# Altium PCB Nuio_Left_Keyboard_Rev_H.PcbDoc (part 3 of 3)
Units mil, origin at the board's own origin, x right, y up, seen from the top; angles counter-clockwise.
Board outline 3504.15 x 969.68 mil, 4 copper layers (Top Layer, GND1, GND2, Bottom Layer), stack 37.04 mil thick; 164 components, 106 nets, 626 pads, 398 vias.
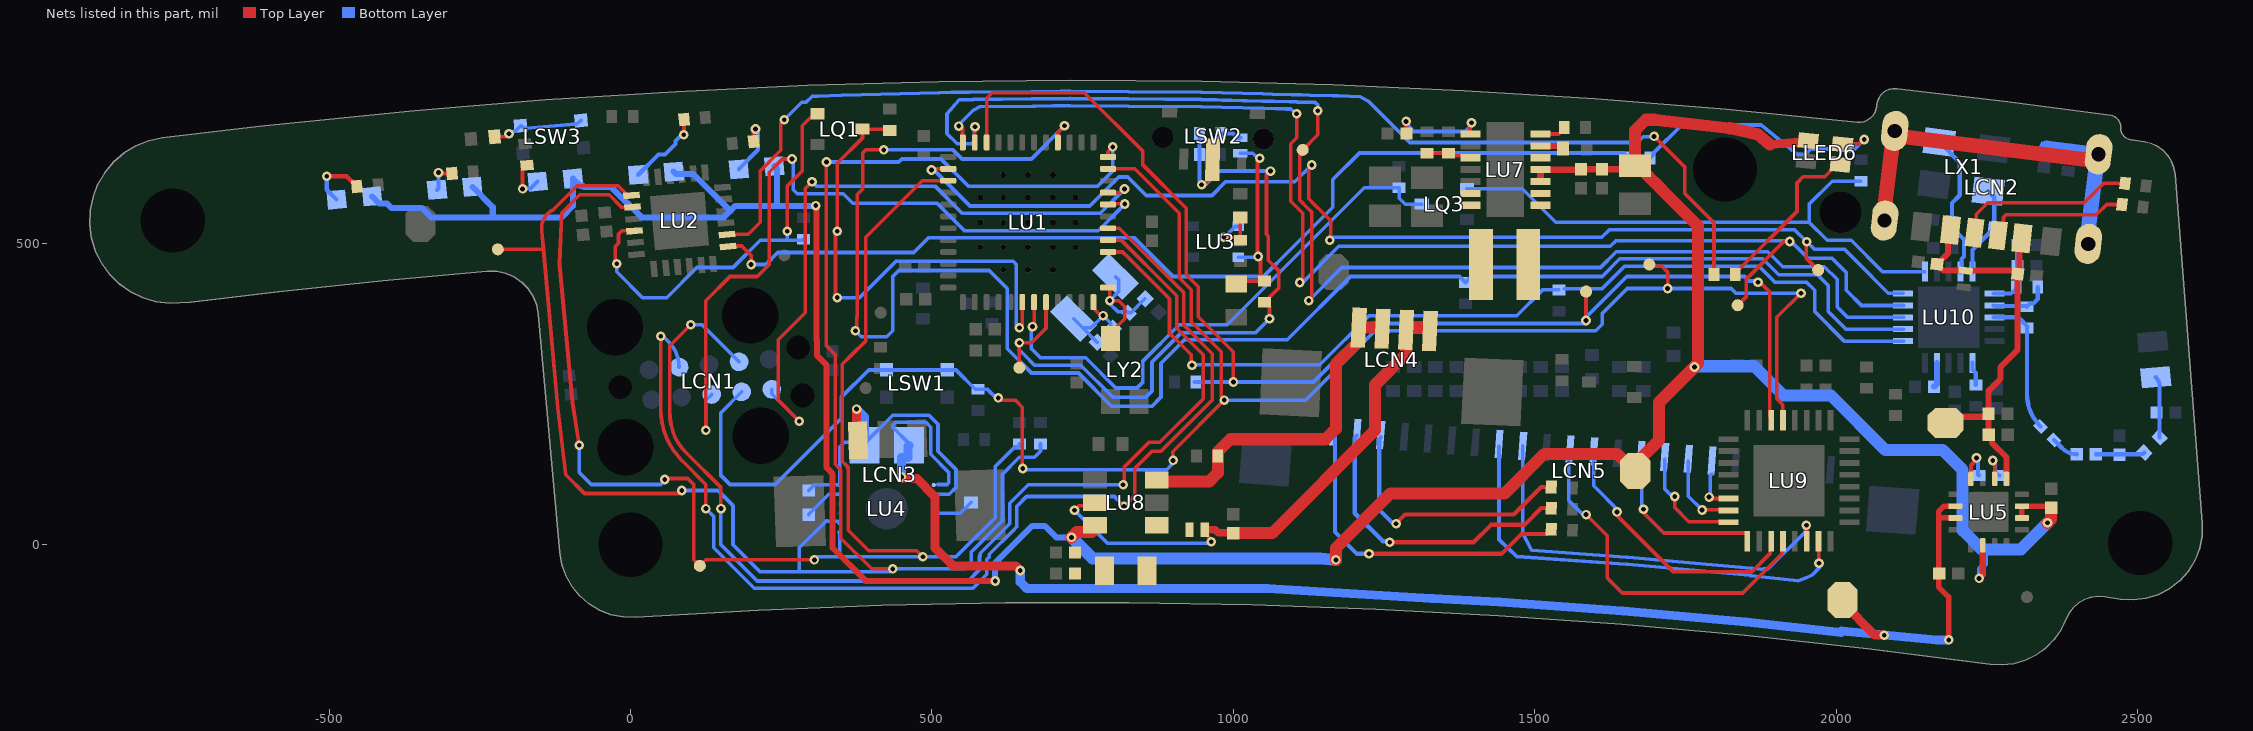
[diagram p5: the nets of this part, all layers, seen from the top]

## Via types
v1: diameter 16, hole 8, Top Layer to Bottom Layer, tented both sides, 391 vias
v2: diameter 23.62, hole 11.81, Top Layer to Bottom Layer, 6 vias
v3: diameter 17.72, hole 8, Top Layer to Bottom Layer, tented both sides, 1 vias

## Nets (pads, with @x,y where several pads share a name; then routed paths per layer and width w, separated by ;. In a path a pad name is that pad's centre, name@x,y a point inside that pad or via, vN(x,y) a via of type N, cw(c..) or ccw(c..) an arc to the next point about the centre after c; other vN are vias at no path point) (continued)
I2C_CLK0/BOOT: LCN1.7 LR1.2 LSW1.1 LSW1.2 LTP10.1 LU1.23 LU9.29 | length 3120.8
  Top Layer w6: v1(610,243.63) 610,240 638.03,240 650,228.03 650,127.14 v1(650.59,126.55) ; LU1.23@794.11,623.5 836.5,623.5 910,550 910,442.88 920,432.88 930,422.88 930,370 980,320 980,245 v1(985,240) 899.52,154.52 899.52,140.48 v1(900,140) ; LTP10.1@1690,462.22 1710.4,462.22 1720.29,452.32 v1(1720.29,425.1) ; LU9.29@1911.52,197.44 1911.52,232.05 1901.54,242.03 1901.54,377.3 v1(1941.52,417.29)
  Bottom Layer w6: LCN1.7@184.49,253.63 150,219.13 150,115 165,100 240,100 350,210 350,245 395,290 425,290 525.39,290 540,290 571.97,258.03 LR1.2@576.68,258.03 ; LR1.2@577,257.72 592.28,257.72 608.18,241.82 v1(610,243.63) ; v1(650.59,126.55) 652.86,124.28 889.28,124.28 900,135 v1(900,140) ; v1(985,240) 1120,240 1235,355 1601.13,355 1612,365.87 1612,383.71 1653.39,425.1 v1(1720.29,425.1) 1825.99,425.1 1833.81,417.29 v1(1941.52,417.29)
I2C_CLK1: LR4.2 LTP15.1 LU1.24 LU2.19 LU4.2 | length 3152.7
  Top Layer w6: LTP15.1@-220,490 -144.33,490 -144.26,490.07 ; LU2.19@-4.69,579.69 -20.62,595.62 -88.1,595.62 -127.93,555.8 ccw(c-114.05,525.48) -146.94,519.98 -144.26,490.07 ; v1(85,90) 80,85 -76.19,85 -107.23,116.04 -120.83,227.7 -144.26,490.07 ; v1(325,635) 325,330 339.42,315.58 339.42,133.61 348,125.03 348,123.38 348.95,122.43 348.95,11.05 400,-40 v1(435,-40) ; LU1.24@792.1,643.19 792.1,652.1 v1(800,660)
  Bottom Layer w6: v1(85,90) 145,90 170,65 170,0 215,-45 280,-45 ; v1(325,635) 445,635 450,640 515,640 560,595 775,595 800,620 v1(800,660) ; LU4.2@346.83,36.38 344.02,39.19 326.78,39.19 325.97,40 325,40 280,-5 280,-45 ; LR4.2@680,167.28 680,155 670,145 645,145 617,117 617,40.03 615,38.03 565,-11.97 565,-30 555,-40 v1(435,-40) 430,-45 280,-45
I2C_DATA0: LR2.2 LTP12.1 LU1.34 LU9.30 | length 2120.4
  Top Layer w6: LU1.34@590.71,669.42 590.71,740.71 600,750 752.71,750 850,652.71 850,630 922,558 922,447.85 932,437.85 942,427.85 942,424.82 942,378.25 1000,320.25 v1(1000,270) ; v1(1585,372) LTP12.1@1585,420 ; v1(1870.33,435.37) 1873.5,435.37 1884.23,424.64 1884.74,424.64 1889.52,419.86 1889.52,230.48 1890,230 1890,213.61 LU9.30@1891.99,211.62
  Bottom Layer w6: LR2.2@935,270 v1(1000,270) 1133.03,270 1230.03,367 1585,367 1585,370 1585,377.52 1652.48,445 1847.79,445 1855.18,437.61 1868.09,437.61 v1(1870.33,435.37)
I2C_DATA1: LR11.2 LTP17.1 LU1.39 LU2.20 LU4.1 | length 2448.9
  Top Layer w6: v1(-85,165) -96.17,236.17 -117.83,465.64 -113.76,550.95 -84.04,580.68 -35.46,580.68 -14.87,560.08 LU2.20@3.25,560.08 ; v1(56.71,108.26) 57.48,107.48 60,110 95,110 105,100 105,-25 LTP17.1@115,-35 125,-25 v1(305,-25) ; v1(485,-20) 475,-10 395,-10 360.95,24.05 360.95,127.4 360,128.35 360,130 351.42,138.58 351.42,286.42 351.42,299.5 366.65,314.74 390,338.08 390,510 483.82,603.82 LU1.39@527.11,603.82
  Bottom Layer w6: v1(-85,165) -85,120 -65,100 50,100 55,105 55,106.55 v1(56.71,108.26) ; v1(305,-25) 310,-20 345,-20 ; LU4.1@346.83,20.63 346.83,-18.17 345,-20 ; LR11.2@645,162.29 637.29,162.29 605,130 605,45 550,-10 540,-20 v1(485,-20) 345,-20 ; LR11.2@645,167.28 LR11.2@647.71,164.57
MTCK: LCN1.8 LU1.20 | length 1285.9
  Top Layer w6: v1(125,190) 125,405 165,445 210,445 230,465 230,530 230,618.03 251.97,640 v1(268,640) ; LU1.20@794.11,564.45 795.17,565.51 817.53,565.51 818.59,566.57 v1(819.85,565.3)
  Bottom Layer w6: v1(125,190) 125,239.58 LCN1.8@134.68,249.27 ; v1(268,640) 270,640 270,588.81 276.52,582.29 352.71,582.29 368.57,566.43 508.57,566.43 554,521 699.03,521 706.71,521 732.58,521 744.11,521 776,521 818.59,563.59 818.59,565.3 v1(819.85,565.3)
MTDI: LCN1.2 LU1.18 | length 1875.9
  Top Layer w6: v1(50.16,345.94) 53.54,343.34 ccw(c67.07,332.93) 50,332.93 50,225.36 ccw(c171.57,225.35) 85.61,139.39 125,100 v1(125,60) ; LU1.18@792.1,525.07 810.84,525.07 908,427.91 918,417.91 918,363.97 965,316.97 965,240 880,155 865,155 836.52,126.52 836.52,81.71 v1(818.79,63.99)
  Bottom Layer w6: v1(50.16,345.94) 55,345 63.01,336.99 cw(c20.73,294.72) LCN1.2@80.52,294.72 ; v1(125,60) 138,47 138,-4.97 205.03,-72 568,-72 591,-49 591,-24.2 595,-20.2 595,-15.91 636,25.09 639,28.09 641,30.09 641,64.03 656.97,80 802.78,80 v1(818.79,63.99)
MTDO: LCN1.6 LU1.21 | length 1092.8
  Top Layer w6: v1(280,205) 245,240 245,340 290,385 290,591.09 v1(301.06,602.16) ; LU1.21@794.11,584.13 810.26,584.13 817.31,591.18 819.52,591.18 v1(819.52,590.22)
  Bottom Layer w6: LCN1.6@234.3,257.98 234.3,250.7 v1(280,205) ; v1(301.06,602.16) 308.22,595 350.96,595 505,595 550,550 779.3,550 v1(819.52,590.22)
MTMS: LCN1.4 LU1.17 | length 1858.9
  Top Layer w6: v1(100,365) 65,330 65,221.21 ccw(c174.44,221.21) 73.8,178.22 ccw(c176.99,233.7) 94.12,150.87 150,95 v1(150,60) ; LU1.17@792.1,505.39 813.55,505.39 896,422.94 906,412.94 906,359 950,315 950,241.97 878.03,170 860,170 819.27,129.27 819.27,101.7 v1(817.14,99.57)
  Bottom Layer w6: v1(100,365) 118.57,365 138.08,345.49 LCN1.4@180.14,303.44 ; v1(150,60) 150,0 210,-60 560,-60 579,-41 579,-19.23 580,-18.23 580,-13.94 624,30.06 627,33.06 629,35.06 629,69 659.57,99.57 719.57,99.57 v1(817.14,99.57)
NetLC10_1: LC10.1 LD1.2 LR7.2 LU3.3 | length 324.9
  Top Layer w6: LC10.1@1010,435 1012.57,437.57 LR7.2@1051.63,437.57 1045,444.2 1045,472.83 1042.82,475.01 1042.82,478.18 1040,481 1040,637.39 v1(1043.65,641.04) ; v1(1041,478.18) v1@1041.91,479.09
  Bottom Layer w6: LU3.3@1007.94,476.7 1041.33,476.7 1041.91,477.27 v1(1041,478.18) ; LD1.2@1011.52,649.49 1032.33,649.49 1040.79,641.04 v1(1043.65,641.04)
NetLC12_1: LC12.1 LR12.2 LU1.12 LY1.1 | length 152.4
  Top Layer w6: LU1.12@767.87,402.43 767.87,392.13 v1@780,380
  Bottom Layer w6: LY1.1@735,375 LY1.1@750,360 ; LC12.1@773.86,336.14 LY1.1@750,360 ; LR12.2@796.46,357.53 796.46,367.59 v1(783.98,380.06) 763.92,360 LY1.1@750,360
NetLC13_1: LC13.1 LR12.1 LU1.13 LY1.2 LY2.3 | length 241.5
  Top Layer w6: LU1.13@792.1,426.65 795,423.75 v1(795,405) 810,405 820,395 820,375 796.38,351.38 LY2.3@796.38,342.36
  Bottom Layer w6: LY1.2@804.6,444.6 810,439.19 810,420 v1(795,405) 795,400 808.54,386.46 824.7,386.46 LR12.1@826.58,384.59 829.59,384.59 LC13.1@852.96,407.96
NetLC21_1: LC21.1 LCN2.SHELL1 LCN2.SHELL2 LCN2.SHELL3 LCN2.SHELL4 LR19.1 | length 736.5
  Top Layer w25: LCN2.SHELL1@2076.54,530.16 2078,541.88 2093.65,666.89 2095.12,678.61 LCN2.SHELL3@2432.64,636.36
  Bottom Layer w25: LC21.1@2348.48,657.91 2388.48,652.9 2434,647.21 2432.64,636.36 2431.18,624.64 2415.53,499.63 LCN2.SHELL2@2414.06,487.91
NetLC22_1: LC22.1 LU4.5 | length 65.9
  Bottom Layer w6: LC22.1@295.75,50 295.75,50.75 328.62,83.62 LU4.5@347.24,83.62
NetLC23_1: LC23.1 LCN3.1 LR62.1 LU4.6 LU4.8 | length 584.9
  Top Layer w15: v1(375,225) 375,175.26 LCN3.1@377.21,173.06
  Bottom Layer w6: LC23.1@295.75,90 305.12,99.37 LU4.6@347.24,99.37 347.24,162.24 355,170 386,170 LR62.1@388,168 ; LR62.1@388,173 LR62.1@388,168 ; LU4.8@503.17,83.62 528.62,83.62 540,95 540,125 510,155 510,200 495,215 435,215 LR62.1@388,168
  Bottom Layer w15: v1(375,225) 388,212 LR62.1@388,173
NetLC26_1: LC26.1 LCN4.3 LCN4.4 LD3.1 LU8.5 | length 900
  Top Layer w6: v1(736.52,57.29) 744.24,65 LU8.5@769.8,65 ; LD3.1@952.8,25 950,22.2 963.31,8.89 v1(963.31,5.11)
  Top Layer w12: LD3.1@952.8,25 970,25 975,20 999.25,20 LC26.1@1000,19.25
  Top Layer w20: LC26.1@1000,19.25 1064.25,19.25 1235,190 1235,265 1286.6,316.6 LCN4.3@1286.6,356.55 1290.06,360 1320.68,360 LCN4.4@1325.93,354.74
  Bottom Layer w6: v1(736.52,57.29) 791.52,2.29 960.49,2.29 v1(963.31,5.11)
NetLC32_1: LC32.1 LU7.1 | length 169.3
  Top Layer w7: v1(1286.52,702.29) 1286.9,701.91 1286.9,682.66 LC32.1@1287.27,682.29 ; v1(1395,700) 1392.68,697.68 1392.68,683.75 1395.08,681.34 LU7.1@1396.21,681.34
  Bottom Layer w7: v1(1286.52,702.29) 1286.52,699.85 1290.1,696.27 1290.1,693.7 1298.29,685.52 1385.52,685.52 1395,695 v1(1395,700)
NetLC39_1: LC39.1 LU10.19 | length 41.1
  Bottom Layer w10: LC39.1@2162.27,262.29 2166.84,266.85 LU10.19@2166.84,301.5
NetLC40_1: LC40.1 LL3.2 | length 46.5
  Bottom Layer w7: LL3.2@2361.14,173.86 2374.92,160.08 ccw(c2399.25,184.41) LC40.1@2399.25,150
NetLC40_2: LC40.2 LC41.1 LR45.1 | length 81.4
  Bottom Layer w7: LC40.2@2430.75,150 2503.87,150 ccw(c2503.87,160.49) LR45.1@2511.29,153.07
NetLC42_1: LC42.1 LE1.1 LR45.2 | length 101.4
  Bottom Layer w7: LE1.1@2530.05,277.88 cw(c2514.86,262.69) 2536.34,262.69 LR45.2@2536.34,178.13
NetLC43_1: LC43.1 LC44.1 LL5.2 LU10.11 | length 113.9
  Bottom Layer w7: LU10.11@2261.33,416.66 2290.14,416.66 2298.81,425.32 LL5.2@2298.81,427.29 2299.79,428.27 2299.79,496.3 LC44.1@2300.77,497.29
NetLC45_1: LC45.1 LU10.9 LX1.3 | length 246.1
  Bottom Layer w7: LX1.3@2171,668.07 2171.09,668.07 2205,634.16 2205,579.75 2192.15,566.9 LC45.1@2192.15,535.33 2199.58,527.89 2199.58,518.88 2212.01,506.46 2212.01,478.11 2207.63,473.74 2207.63,453.51 LU10.9@2206.21,452.09
NetLC46_1: LC46.1 LU10.10 LX1.1 | length 153.6
  Bottom Layer w7: LU10.10@2225.89,452.09 2225.89,489.07 LC46.1@2262.15,525.33 2262.15,576.4 LX1.1@2252.05,586.5
NetLCN2_A5: LCN2.A5 LR14.2 | length 239.1
  Top Layer w6: LCN2.A5@2268.4,513.12 2277.38,522.1 2277.38,543.14 2281.52,547.29 2431.52,547.29 2448.72,564.49 LR14.2@2473.94,564.49
NetLCN2_B5: LCN2.B5 LR15.2 | length 299.7
  Top Layer w6: LCN2.B5@2229.29,517.6 2232.36,520.66 2232.36,548.12 2251.52,567.29 2411.52,567.29 2443.72,599.49 LR15.2@2478.94,599.49
NetLCN4_1: LCN4.1 LCN4.2 LR26.1 LU8.3 | length 576.2
  Top Layer w20: LU8.3@874.1,105 960,105 974.24,119.24 LR26.1@974.24,147.29 974.24,154.24 995,175 1152.66,175 1170,192.34 1170,300 1206.95,336.95 1206.95,359.17 LCN4.1@1207.95,360.16 1245.47,360.16 LCN4.2@1247.28,358.35
NetLCN5_20: LCN5.20 LR41.1 | length 441.2
  Top Layer w7: v1(1270,35) 1285,50 1465,50 1510.81,95.81 LR41.1@1527.3,95.81
  Bottom Layer w7: LCN5.20@1244.41,178.22 1242.08,175.89 1242.08,67.77 1242.49,67.36 1242.49,57.42 1264.91,35 v1(1270,35)
NetLCN5_21: LCN5.21 LR43.1 | length 499.7
  Top Layer w7: v1(1259.33,4.19) 1398.42,4.19 1427.33,33.1 1483.1,33.1 1510.81,60.81 LR43.1@1527.3,60.81
  Bottom Layer w7: LCN5.21@1205.16,181.26 1201.43,177.52 1201.43,52.38 1247.79,6.02 1257.49,6.02 v1(1259.33,4.19)
NetLCN5_22: LCN5.22 LR42.1 | length 555.8
  Top Layer w7: v1(1225,-15) 1445,-15 1478.09,18.09 1521.46,18.09 1527.3,23.94 LR42.1@1527.3,25.81
  Bottom Layer w7: LCN5.22@1165.91,184.29 1168.53,181.67 1168.53,21.47 1205,-15 v1(1225,-15)
NetLD1_1: LD1.1 LR5.2 | length 35.3
  Bottom Layer w7: LR5.2@979.24,682.29 999.4,682.29 1006.6,675.08 LD1.1@1011.52,675.08
NetLD3_2: LD3.2 LL2.2 LU8.1
NetLL1_1: LL1.1 LU7.8 LU7.9
NetLL1_2: LL1.2 LU7.6 LU7.7
NetLL3_1: LL3.1 LL4.1 LU10.13 | length 230.9
  Bottom Layer w7: LU10.13@2261.33,377.29 2296.52,377.29 cw(c2296.52,363.69) 2306.14,373.3 LL4.1@2317.15,362.29 ; LL4.1@2316.52,359.57 2316.52,250.07 ccw(c2392.8,250.07) LL3.1@2338.86,196.14
NetLL4_2: LL4.2 LL5.1 LU10.12 | length 98.6
  Bottom Layer w7: LU10.12@2261.33,396.97 2262.31,395.99 2315.54,395.99 LL4.2@2316.52,395 2321.88,400.36 2327.01,400.36 2334.24,407.59 LL5.1@2334.24,427.29
NetLLED1_2: LLED1.2 LR30.1 | length 103.3
  Top Layer w7: v1(-503.78,611.16) -470.74,611.16 -461.83,602.26 -460.04,602.26 -453.78,595.99 LR30.1@-453.78,594.2
  Bottom Layer w7: v1(-503.78,611.16) -503.78,588.88 LLED1.2@-487.54,572.64
NetLLED2_2: LLED2.2 LR31.1 | length 52.6
  Top Layer w7: v1(-318.48,617.29) -316.93,615.74 LR31.1@-296.13,615.74
  Bottom Layer w7: LLED2.2@-320.97,588.71 -318.48,591.2 v1(-318.48,617.29)
NetLLED3_2: LLED3.2 LR32.1 | length 72.2
  Top Layer w7: v1(-179.02,590.28) -179.02,622.55 LR32.1@-171.93,629.64
  Bottom Layer w7: v1(-179.02,590.28) -178.35,590.95 -165.68,590.95 LLED3.2@-154.2,602.44
NetLLED4_2: LLED4.2 LR33.1 | length 132.9
  Top Layer w7: v1(88.2,680.14) 88.2,683.56 88.62,683.98 88.62,705.49 LR33.1@88.87,705.74
  Bottom Layer w7: LLED4.2@12.75,613.82 46.22,647.29 57.42,647.29 74.79,664.65 74.79,669.6 86.77,681.58 v1(88.2,680.14)
NetLLED5_2: LLED5.2 LR34.1 | length 104
  Top Layer w7: LR34.1@204.17,668.83 204.17,686.72 v1(207.24,689.79)
  Bottom Layer w7: LLED5.2@179.85,622.87 179.85,623.56 211.52,655.24 211.52,682.6 207.24,686.89 v1(207.24,689.79)
NetLLED6_1: LLED6.1 LR35.2 | length 448.9
  Top Layer w6: LLED6.1@2007.72,664.83 2037.31,664.83 2044.67,672.19 v1(2046.4,672.19)
  Bottom Layer w6: LR35.2@1691.13,641.23 1696.99,647.08 1696.99,649.73 1743.62,696.37 1875.75,696.37 1934.25,647.95 1949.33,647.95 1957.86,656.48 2030.69,656.48 v1(2046.4,672.19)
NetLLED6_2: LLED6.2 LR37.2 | length 276.1
  Top Layer w6: LR37.2@1831.52,449.42 1831.81,449.42 1838.51,456.12 1838.51,456.41 1934.86,552.76 1934.86,600.14 1945,610.27 1981.18,610.27 2002.46,631.55 LLED6.2@2004.22,631.55
NetLR9_2: LR9.2 LR10.1 LU3.1 | length 107.8
  Top Layer w6: v1(984.21,510) 985,510 1006.52,510 LR10.1@1011.52,505 LR10.1@1011.52,511.52 ; LR10.1@1005,505 LR10.1@1011.52,511.52 ; LR9.2@1011.52,542.92 LR10.1@1011.52,511.52
  Bottom Layer w6: v1(984.21,510) 985,510 1002.99,527.99 LU3.1@1008.05,527.99
NetLR21_1: LR21.1 LU5.16 | length 66.3
  Top Layer w7: LU5.16@2223.37,112.33 2223.37,131.98 2232.58,141.19 v1(2232.58,144.09)
  Bottom Layer w7: v1(2232.58,144.09) 2234.63,142.04 2234.63,135.97 2235.38,135.23 2235.38,116.14 LR21.1@2236.52,115
NetLR22_1: LR22.1 LU5.14 | length 59.6
  Top Layer w6: v1(2259.66,139.81) 2262.75,136.72 LU5.14@2262.75,112.33
  Bottom Layer w6: v1(2259.66,139.81) 2259.66,136.64 2263.7,132.6 2263.7,120.86 2269.55,115 LR22.1@2271.52,115
NetLR23_2: LR23.2 LU7.14 | length 45.1
  Top Layer w6: LU7.14@1509.4,681.34 1539.83,681.34 1548.81,690.32 LR23.2@1548.81,692.29
NetLR24_2: LR24.2 LR27.1 LU7.3 | length 74.9
  Top Layer w6: LR27.1@1321.52,649.57 1349.18,649.57 1353.75,645 1390.23,645 LU7.3@1393.25,641.97
NetLR28_1: LR28.1 LU7.13 | length 41.5
  Top Layer w10: LU7.13@1509.4,661.66 1544.95,661.66 1548.81,657.8 LR28.1@1548.81,657.29
NetLR29_2: LR29.2 LSW3.3 LSW3.4 | length 156.4
  Top Layer w6: LR29.2@-227.35,676.54 -206.68,676.54 v1(-201.43,681.8)
  Bottom Layer w6: v1(-201.43,681.8) -198.26,681.8 -193.92,686.14 -190.94,686.14 -182.17,694.9 LSW3.3@-182.17,695.06 -173.93,690.62 -134.58,694.06 ccw(c-136.13,711.85) -134.45,694.07 -89.51,698 LSW3.4@-82.16,703.81
NetLR49_1: LR49.1 LU10.16 | length 39.9
  Bottom Layer w7: LU10.16@2225.89,302.48 2225.89,290.67 2227.31,289.25 2227.42,289.25 2231.52,285.15 LR49.1@2231.52,265
NetLR61_1: LR61.1 LU4.10 | length 69.8
  Bottom Layer w6: LU4.10@502.76,52.13 546.81,52.13 LR61.1@565,70.32
NRF_CE: LR46.2 LU1.16 LU10.1 | length 1568.6
  Top Layer w6: LU1.16@794.11,485.7 816.27,485.7 823.95,478.02 884,417.97 894,407.97 894,404.94 894,351 910,335 930,315 930,305 930,298.5 930.59,297.91 v1(931.47,297.91)
  Bottom Layer w6: v1@931.47,298.5 1143.5,298.5 1225,380 1470,380 1512.72,422.72 LR46.2@1540,422.72 ; LR46.2@1548.93,425 1611.93,425 1649.21,462.29 1871.52,462.29 1898.3,435.51 1950.78,435.51 1964.15,422.14 1964.15,386.79 2013.02,337.92 LU10.1@2111.72,337.92
NRF_CS: LR48.1 LU1.28 LU10.2 | length 2908.3
  Top Layer w6: v1(373,355) 375,355 375,378.03 376.38,379.4 376.38,581.38 385,590 385,650 390,655 v1(420,655) ; LU1.28@708.82,667.41 708.82,683.82 v1(720,695)
  Bottom Layer w6: v1(373,355) 383,345 425,345 435,355 435,445 445,455 595,455 625,425 625,325 665,285 743.03,285 798.03,230 865,230 880,245 880,301.06 918.94,340 1089.24,340 1194.24,445 1375,445 LR48.1@1385,435 1395,445 1611.86,445 1641.15,474.29 1878.29,474.29 1904.64,447.93 1969.08,447.93 1986.52,430.49 1986.52,387.29 2016.21,357.6 LU10.2@2111.72,357.6 ; v1(420,655) 535,655 550,640 665,640 v1(720,695)
NRF_INT: LQ3.3 LR59.2 LU1.7 | length 933.4
  Top Layer w6: v1(666.92,361.92) 669.45,364.45 LU1.7@669.45,402.43
  Bottom Layer w6: v1(666.92,361.92) 665,360 665,325 680,310 755,310 805,260 840,260 850,270 850,305 910,365 990,365 1217.28,592.28 LR59.2@1275,592.28 1275,575 1285,565 LQ3.3@1312.6,565
NRF_INT_RAW: LQ3.1 LR47.2 LU10.6 | length 948.3
  Bottom Layer w6: LQ3.1@1387.4,590.59 1479.41,590.59 1535,535 1955,535 ; LR47.2@2040.77,603.19 1993.19,603.19 1955,565 1955,535 ; LU10.6@2147.15,453.07 2076.93,453.07 2025,505 1985,505 1955,535
RESET_RAW: LR5.1 LR7.1 LR8.1 LSW2.2 LTP14.1 LU1.8 | length 1218.8
  Top Layer w6: LTP14.1@645,293.73 v1(645,335) 665,335 689.13,359.13 LU1.8@689.13,402.43 ; v1(947.33,597.27) 948.34,597.27 948.34,595.57 948.69,595.22 965.75,612.28 LSW2.2@965.75,639.02 ; v1(1060,375) 1060,393.77 LR7.1@1051.63,402.13 1075,425.5 1075,455 1058,472 1058,512 1055,515 1055,613.35 v1(1061.51,619.86)
  Bottom Layer w6: v1(645,335) 645,323.03 653,315.03 670.03,298 675.03,298 747,298 800,245 855,245 865,255 865,303.03 913.97,352 1037,352 v1(1060,375) ; LR5.1@943.81,682.29 LR8.1@943.81,647.29 943.81,603.27 948.69,598.39 v1@948.69,597.27 ; v1(947.33,597.27) v1@948.69,597.27 ; v1(1061.51,619.86) 1061.51,618.69 1060.81,617.99 1060.23,618.58 1058.81,620 976.64,620 951.86,595.22 948.69,595.22 v1@948.69,597.27
ROW0: LCN5.12 LU9.12 | length 587.9
  Top Layer w6: v1(1585.16,49.99) 1620,15.15 1620,-41.97 1620,-55 1645,-80 1845,-80 1909.96,-15.04 1909.96,4.11 LU9.12@1911.68,5.83
  Bottom Layer w6: LCN5.12@1558.44,153.96 1556.52,152.04 1556.52,73.48 1580.01,49.99 v1(1585.16,49.99)
ROW1: LCN5.9 LU9.9 | length 293.4
  Top Layer w6: v1(1680.22,58.79) 1679.83,58.4 1682.06,56.18 1682.06,51.49 1713.98,19.56 1850.9,19.56 1852.62,17.84 LU9.9@1852.62,5.83
  Bottom Layer w6: LCN5.9@1676.2,144.86 1677.57,143.49 1677.57,60.67 1679.81,58.42 v1(1680.22,58.79)
ROW2: LCN5.8 LU9.8 | length 184.3
  Top Layer w6: v1(1732.01,80.2) 1732.01,61.8 1755.42,38.39 LU9.8@1817.17,38.39
  Bottom Layer w6: LCN5.8@1715.45,141.83 1715.45,92.41 1725.43,82.44 1729.77,82.44 v1(1732.01,80.2)
ROW3: LCN5.6 LU9.6 | length 73.3
  Top Layer w6: v1(1789.23,79.1) 1791.63,76.7 LU9.6@1821.13,76.7
  Bottom Layer w6: v1(1789.23,79.1) 1790.91,80.78 1790.91,114.76 1793.22,117.06 LCN5.6@1793.96,117.06
ROW4: LCN5.7 LU9.7 | length 132.9
  Top Layer w6: v1(1777.6,57.79) 1816.91,57.79 LU9.7@1817.19,58.07
  Bottom Layer w6: LCN5.7@1754.7,138.8 1754.7,80.68 v1(1777.6,57.79) v1@1777.6,60.49
ROW5: LCN5.11 LU9.11 | length 446.7
  Top Layer w6: v1(1636.35,54.56) 1636.35,48.65 1730,-45 1859.85,-45 1890.27,-14.58 1890.27,4.11 LU9.11@1891.99,5.83
  Bottom Layer w6: LCN5.11@1597.69,150.93 1597.69,97.88 v1@1638.68,56.89 ; v1(1636.35,54.56) 1636.55,54.56 v1@1638.78,56.79
ROW6: LCN5.15 LU9.15 | length 741.5
  Top Layer w6: LU9.15@1971.13,-2.07 1971.13,-30.32 v1(1971.52,-30.71)
  Bottom Layer w6: LCN5.15@1440.68,163.06 1440.68,83.13 1440.68,8.7 1470.04,-19.39 1651.43,-32.36 ; 1651.47,-32.37 cw(c1644.53,-132.13) 1651.52,-32.37 cw(c1647.33,-92.73) 1651.61,-32.38 ; 1651.71,-32.38 cw(c1644.53,-132.13) 1653.51,-32.53 ; 1653.67,-32.54 cw(c1644.53,-132.13) 1653.73,-32.55 1857.19,-50.85 ; 1857.31,-50.86 cw(c1854.14,-86.72) 1857.4,-50.87 ; 1857.46,-50.88 cw(c1848.46,-150.47) 1859.2,-51.05 ; 1859.29,-51.06 cw(c1855.42,-86.85) 1859.34,-51.07 cw(c1856.75,-74.92) 1859.4,-51.07 cw(c1854.14,-98.78) 1859.46,-51.08 ; 1859.52,-51.09 1936.64,-59.45 1950,-55 1960,-50 1971.52,-38.48 v1(1971.52,-30.71)
ROW7: LCN5.14 LU9.14 | length 695.8
  Top Layer w6: v1(1950.49,32.31) 1950.77,32.03 1950.77,6.11 LU9.14@1951.05,5.83
  Bottom Layer w6: LCN5.14@1479.93,163.95 1479.93,19.57 1494.69,-9.13 1652.25,-20.39 cw(c1649.79,-56.31) 1652.31,-20.4 cw(c1644.53,-132.13) 1652.36,-20.4 cw(c1647.33,-92.73) 1652.46,-20.41 ; 1652.58,-20.42 cw(c1644.53,-132.13) 1654.58,-20.58 ; 1654.77,-20.6 cw(c1644.53,-132.13) 1654.84,-20.6 1700.03,-24.67 1840.69,-37.32 1858.24,-38.9 ; 1858.36,-38.91 cw(c1854.14,-86.72) 1858.48,-38.92 ; 1858.57,-38.93 cw(c1848.46,-150.47) 1860.46,-39.12 ; 1860.8,-39.15 cw(c1858.16,-63.01) 1860.85,-39.16 1874.7,-40.66 1880,-40 1887.31,-40 1948.43,21.12 1948.43,30.25 v1(1950.49,32.31)
STATUS_LEDG: LR37.1 LU2.8 | length 2014.1
  Top Layer w6: LU2.8@159.79,514.49 160.55,515.25 195.25,515.25 215,535 215,620 249.38,654.38 249.38,699.38 v1(255,705) ; v1(1697.96,677.36) 1748.71,626.61 1748.71,582.8 1797.22,534.29 LR37.1@1797.22,448.29
  Bottom Layer w6: v1(255,705) 283.85,733.85 291.16,733.85 301.27,743.97 310.58,743.97 350.13,745.55 512,750.11 533.1,750.33 561.78,750.62 665.82,751.67 713.64,752.15 729.59,752.31 825.52,751.57 947.18,750.62 1048.56,747.99 1064.66,747.57 1097.01,746.73 1112.6,746.32 1127,745.94 1164.69,744.96 1173.84,744.56 1210.71,742.94 1224.61,735.39 1292.71,667.29 1670.49,667.29 1680.1,676.89 1697.49,676.89 v1(1697.96,677.36)
STATUS_LEDR: LR35.1 LU2.7 | length 1676.1
  Top Layer w6: LU2.7@161.51,494.88 162.23,495.6 184.71,495.6 200,480.32 v1(200,465)
  Bottom Layer w6: v1(200,465) 224.63,465 244.44,484.81 469.81,484.81 494,509 711.68,509 727.61,509 749.08,509 780.97,509 836,509 900,445 1050,445 1095,490 1165,560 1165,605.76 1209.08,649.85 1436.18,649.85 1467.66,649.85 1647.07,649.85 LR35.1@1655.7,641.23
UI_INT: LQ1.3 LR57.2 LU1.6 | length 805.9
  Top Layer w6: v1@340,415 340,515 344,519 v1(343,520) 343,633 384.8,674.8 LQ1.3@384.8,689.41 427.87,689.41 LR57.2@430,687.28 ; v1(645,360) 650,365 LU1.6@650,392.89
  Bottom Layer w6: v1(343,410) 380,410 440,470 612.4,470 612.5,470.1 634.9,470.1 640,465 640,365 v1(645,360)
UI_INT_RAW: LQ1.1 LR6.2 LU2.22 | length 695.8
  Top Layer w6: v1(-22.91,466.06) -25,468.15 -25,495 -20,500 -20,506.48 -19.85,506.63 -19.85,515 -20,515 -14.14,520.86 LU2.22@6.69,520.86 ; v1(260,520) 260,595 285,620 285,672.61 285,695 305,715 LQ1.1@310,715
  Bottom Layer w6: v1(-22.91,466.06) -22.91,452.91 20,410 60,410 110,460 170,460 215,505 260,505 ; v1(260,520) 260,505 ; LR6.2@286.91,507.04 284.88,505 260,505
USB_VIN: LC16.1 LC17.1 LC18.1 LC19.1 LCN2.A9 LCN2.B9 LD2.1 LTP1.1 LU5.13 | length 693.4
  Top Layer w10: LTP1.1@2181.52,202.29 2191.59,212.36 2247.46,212.36 LC18.1@2252.69,217.59 ; LCN2.A9@2185.53,513.34 2185.53,483.86 LC17.1@2167.17,465.5 2178,454.67 LD2.1@2214.64,454.67 ; LD2.1@2214.64,455 2294.94,455 LC16.1@2300.88,449.07 ; LU5.13@2282.44,112.33 2282.44,145.11 2258.27,169.28 2258.27,177.52 LC19.1@2253.03,182.75 2252.69,183.09 LC18.1@2252.69,217.59 ; LCN2.B9@2304.29,498.47 2304.29,452.48 LC16.1@2300.88,449.07 ; LC18.1@2252.69,217.59 2252.69,255.68 2272.6,275.58 2272.6,295.2 2300.88,323.48 LC16.1@2300.88,449.07
VBAT: LC20.1 LR62.2 LTP11.1 LU4.7 LU5.2 LU5.3 | length 2556.5
  Top Layer w9: v1(2186.52,-157.71) 2186.52,-86.52 2170,-70 2170,-48.49 LC20.1@2170.77,-47.71 2170,-46.94 2170,45 ; LU5.3@2197.2,45 2170,45 ; LU5.2@2197.78,64.11 2179.11,64.11 2170,55 2170,45
  Top Layer w15: v1(449.39,112.39) 451.77,110 475,110 505,80 505,-5 535,-35 638.81,-35 v1(646.52,-42.71) ; LTP11.1@2010.45,-91.49 2010.45,-96.49 2063.95,-149.99 2079.6,-149.99 v1(2079.79,-150.18) ; v1@2186.33,-157.52 v1(2186.52,-157.71)
  Bottom Layer w6: LR62.2@462,165 462,168 435,195 435,198.03 439.97,203 490.03,203 498,195.03 498,150.03 528,120.03 528,103 525,100 510,100
  Bottom Layer w15: v1(449.39,112.39) 449.89,112.39 449.89,145 460,145 460,163 LR62.2@462,165 ; v1(646.52,-42.71) 646.52,-61.52 657.71,-72.71 1056.07,-72.71 cw(c1056.07,-87.71) 1056.97,-72.74 1328.65,-89.04 1331.48,-89.19 ; 1331.5,-89.21 1441.47,-95.05 cw(c1440.28,-117.52) 1441.88,-95.08 1646.13,-109.68 cw(c1644.53,-132.13) 1646.54,-109.72 1850.48,-128.06 cw(c1848.46,-150.47) 1850.89,-128.1 cw(c1848.46,-150.47) 1850.96,-128.11 2008.25,-145.18 ccw(c1974.45,-141.51) 2008.42,-142.88 2079.85,-149.58 2166.52,-157.71 v1(2186.52,-157.71)
VSPI_CLK: LTP3.1 LU1.35 LU10.3 | length 2202.2
  Top Layer w6: LU1.35@571.02,669.42 571.24,669.64 571.24,693.04 v1(571.46,693.26) ; v1(1125,405) 1130,410 1130,551.97 1123.52,558.45 1110,571.97 1110,650 LTP3.1@1115,655 1140,680 v1(1140,720)
  Bottom Layer w6: v1(571.46,693.26) 570,691.8 570,670 565,665 541.97,665 525,681.97 525,715 545.22,738.45 568.58,738.69 665.93,739.67 669.19,739.7 670.78,739.72 708.65,740.1 729.6,740.31 825.44,739.57 ; 825.46,739.57 946.97,738.63 1049.01,735.97 1067.5,735.49 1093.55,734.81 1106.13,734.48 1135.35,733.72 1140,730 v1(1140,720) ; v1(1125,405) 1180,460 1609.03,460 1635.31,486.29 1886.63,486.29 1911.51,461.4 1980.39,461.4 2001.52,440.27 2001.52,394.57 2018.81,377.29 LU10.3@2111.72,377.29
VSPI_MISO: LTP5.1 LU1.38 LU10.5 | length 1930.8
  Top Layer w6: v1(499.36,621.67) 499.36,623.5 LU1.38@525.11,623.5 ; v1(1130,630) 1125,625 1125,573.94 1135.52,563.42 1146.66,552.29 1161.52,537.42 1161.52,513.12 1161.18,512.78 1161.18,505.99 1160.18,505 v1(1160,505) ; v1@1950,496.22 1950,475.85 LTP5.1@1970.12,455.73
  Bottom Layer w6: v1(499.36,621.67) 499.36,620 505,620 563,562 762,562 810,610 825,610 855.58,579.42 939.93,579.42 954.73,579.42 964.42,579.42 987,602 1004.97,602 1102,602 v1(1130,630) ; v1(1160,505) 1165,510 1198.61,510 1375.63,510 1611.21,510 1623.49,522.29 1931.27,522.29 v1(1951.02,502.54) ; v1@1951.14,502.67 1963.81,490 2013.81,490 2033.99,469.81 2086.52,417.29 LU10.5@2111.09,417.29
VSPI_MOSI: LTP8.1 LU1.36 LU10.4 | length 2142.1
  Top Layer w6: v1(544.57,694.46) 547.74,694.46 550.28,691.92 550.69,691.92 550.69,670.06 LU1.36@551.34,669.42 ; v1(1105,715) 1105,675 1095,665 1095,570 1115,550 1115,440 v1(1110,435) ; LTP8.1@1836.52,397.29 1851.02,411.79 1851.02,441.02 1913.13,503.13 v1(1922.83,503.13)
  Bottom Layer w6: v1(544.57,694.46) 544.57,696.89 567.67,720 580.08,726.8 667.03,727.68 669.31,727.7 670.87,727.72 ; 670.9,727.72 701.61,728.03 729.62,728.31 825.36,727.57 946.77,726.63 1049.47,723.95 1071.41,723.38 1089.01,722.93 1093.23,722.82 1094.81,722.77 v1(1105,715) ; v1(1110,435) 1112.29,437.29 1117.29,437.29 1175,495 1625.2,495 1634.63,504.43 1790.17,504.43 1924.13,504.43 1953.55,475 1993.28,475 2016.52,451.76 2016.52,422.29 2041.84,396.97 LU10.4@2111.72,396.97 ; v1(1922.83,503.13) v1@1922.83,504.43
VSYS: LC15.1 LC24.1 LC25.1 LC27.1 LC28.1 LC29.1 LL2.1 LLED1.1 LLED2.1 LLED3.1 LLED4.1 LLED5.1 LLED6.4 LTP9.1 LU5.6 LU5.10 LU5.11 LU7.10 LU7.11 LU7.12 LU8.6 | length 5356.2
  Top Layer w9: LU5.10@2308.02,44.42 LU5.11@2308.02,64.11 2353.48,64.11 LC15.1@2356.29,61.3
  Top Layer w10: v1(307.39,562.63) 308.61,561.41 308.87,561.41 308.87,340.04 309.14,339.77 309.14,314.35 325.42,298.07 325.42,127.81 334,119.23 334,117.58 334.95,116.63 334.95,-0.77 335,-0.82 335,-5 390,-60 v1(605,-60) ; v1(2237.03,-55.73) 2243.06,-49.71 LU5.6@2243.06,-3.81
  Top Layer w11: LU7.10@1509.4,602.6 LU7.11@1509.4,622.29 1575.77,622.29 LC27.1@1576.52,623.03 LC28.1@1611.52,623.03 1660.77,623.03 LC29.1@1666.52,628.78
  Top Layer w15: 1890.35,663.83 LLED6.4@1948.68,668.53
  Top Layer w20: v1(731.52,12.29) 740.26,21.03 764.59,21.03 LU8.6@767.39,23.82 ; v1(1170,-25) 1170,-5.51 1260.51,85 1450,85 1515.85,150.85 1636.31,150.85 LTP9.1@1664.88,122.29 ; LTP9.1@1660.7,128.11 1706.13,173.53 1706.13,236.13 v1(1765,295) 1770.52,300.52 1770.52,529.14 1709.1,590.57 1709.1,591.12 1699.72,600.49 1699.17,600.49 1683.1,616.57 1683.1,620.08 1674.4,628.78 LC29.1@1666.52,628.78 1666.52,687.39 1684.13,705 1698.56,705 cw(c1698.56,685) 1700.82,704.87 1823.12,690.91 cw(c1815.28,622.21) 1830.47,689.67 1867.26,681.38 1867.32,681.37 cw(c1862.87,661.87) 1870.12,680.51 1890.35,663.83 ; v1(2350.52,36.45) 2356.29,42.23 LC15.1@2356.29,61.3
  Bottom Layer w10: LLED1.1@-428.71,577.78 -416.65,565.72 -403.71,565.72 -396.82,558.84 -346.43,558.84 -330.62,543.03 -228.48,543.03 ; LLED2.1@-262.14,593.85 -228.48,560.19 -228.48,543.03 ; LLED4.1@71.58,618.97 75.2,615.36 103.65,615.36 165.16,553.84 165.16,553.65 ; LLED5.1@238.68,628.02 243.22,623.48 243.22,566.03 ; v1(307.39,562.63) 307.39,562.29 302.34,562.29 302.3,562.33 271.53,562.33 271.49,562.29 173.79,562.29 165.16,553.65 ; v1(605,-60) 605,-30 666.47,31.47 687.1,31.47 706.28,12.29 v1(731.52,12.29) ; v1(2237.03,-55.73) 2238.18,-54.58 2238.18,-40.58 2246.52,-32.24 2246.52,-7.71 ; -228.48,543.03 -114.23,543.03 -95.37,561.9 LLED3.1@-95.37,607.58 -83.31,595.52 -79.63,595.52 -77.45,593.34 -31.61,593.34 18.57,543.16 154.67,543.16 165.16,553.65
  Bottom Layer w20: v1(731.52,12.29) 766.53,-22.72 1144.43,-22.72 v1@1169.94,-25.55 ; v1(1765,295) 1766.09,296.09 1863.91,296.09 1912.71,247.29 1991.52,247.29 2081.52,157.29 2176.52,157.29 2209.7,124.11 2209.7,24.11 2241.52,-7.71 2246.52,-7.71 2306.35,-7.71 v1(2350.52,36.45)
pads on no net: LCN1.0 LCN2.0 LLED6.3 LSW2.0 LU1.0 LU1.2 LU1.5 LU1.22 LU1.25 LU1.26 LU1.27 LU1.30 LU1.31 LU1.32 LU1.33 LU1.44 LU1.45 LU1.47 LU1.48 LU2.3 LU2.4 LU2.5 LU2.6 LU4.4 LU4.9 LU4.11 LU5.12 LU5.15 LU9.21 LU9.22 LU9.23 LU9.24

## Polygon pours and split planes (outlines as drawn)
GND on Top Layer "GND_TOP" (solid, remove dead copper, pour order 25): 2651.52,-267.71 -1523.48,-267.71 -1523.48,882.29 2651.52,882.29
NetLL1_2 on Top Layer "NetL2_2_TOP" (solid, remove dead copper, pour order 17): 1415.18,592.62 1415.18,536.52 1437.36,514.33 1437.36,389.33 1367.36,389.33 1357.36,399.33 1357.36,584.33 1365.65,592.62
NetLL1_1 on Top Layer "NetL2_1_TOP" (solid, remove dead copper, pour order 15): 1486.78,591.47 1536.2,591.47 1559.46,568.21 1559.46,398.21 1549.46,388.21 1464.46,388.21 1464.46,513.21 1486.78,535.53
VSYS on Top Layer "VSYS_TOP" (solid, remove dead copper, pour order 20): 1488.52,648.29 1488.52,648.69 1488.52,596.29 1523.52,596.29 1544.52,617.29 1544.52,627.29 1522.52,649.29 1488.52,649.29
VSYS on Top Layer "VSYS_TOP" (solid, remove dead copper, pour order 24): 2293.39,38.49 2358.39,38.49 2373.39,53.49 2373.39,73.49 2293.39,73.49
VSYS on Top Layer "VSYS_TOP" (solid, remove dead copper, pour order 9): 721.52,22.29 745.61,46.38 791.52,46.38 791.52,-2.71 806.52,-17.71 806.52,-67.71 721.52,-67.71
NetLD3_2 on Top Layer "NetD2_2_TOP" (solid, remove dead copper, pour order 4): 836.52,-67.71 876.52,-67.71 934.09,-10.14 934.09,46.38 851.43,46.38 836.52,31.47
3V3 on Top Layer "3V3_TOP" (solid, remove dead copper, pour order 19): 1307.91,628.92 1304.54,632.29 1211.48,632.29 1204.48,625.29 1204.48,592.35 1209.48,587.35 1349.48,587.35 1359.08,596.95 1416.02,596.95 1416.02,628.92
GND on GND2 "GND_INNER2" (solid, remove dead copper, pour order 22): 2651.52,-267.71 -1523.48,-267.71 -1523.48,882.29 2651.52,882.29
GND on GND1 "GND_INNER1" (solid, remove dead copper, pour order 23): 2651.52,-267.71 -1523.48,-267.71 -1523.48,882.29 2651.52,882.29
GND on Bottom Layer "GND_BOT" (solid, remove dead copper, pour order 21): 2651.52,-267.71 -1523.48,-267.71 -1523.48,882.29 2651.52,882.29

## Keep-outs
Bottom Layer:
  circle w10: c2504.37,3.11 r102.36
  circle w10: c1815.26,622.23 r102.36
  circle w10: c-759.35,538.22 r102.36
  circle w10: c-0.01,-0.01 r102.36

## Other copper
Top Layer:
  pour cut-out: 2371.52,232.29 2361.23,349.95 2579.44,369.04 2589.74,251.38
GND1:
  pour cut-out: 2371.52,232.29 2361.23,349.95 2574.3,368.59 2584.59,250.93
GND2:
  pour cut-out: 2371.52,232.29 2361.23,349.95 2579.44,369.04 2589.74,251.38
Bottom Layer:
  pour cut-out: 2371.52,232.29 2361.23,349.95 2578.03,368.91 2588.32,251.25

## Silkscreen, mask and mechanical layers (free items; w line width, h text height)
Top Overlay:
  text "-" at 617.37,147.68 h40
  text "+" at 201.67,70.34 h40
  text "BAT" at 228,-43 h40 r90
Bottom Overlay:
  drawing of 4 lines, arcs and shapes, not listed
  text ".ProjectTitle" at 1093,705.33 h40
  text "Rev .Revision" at 513,642 h40
  text "Prog" at 86.4,442.98 h35 r5
Mechanical 1:
  circle w10: c-759.35,538.2 r43.31
  circle w10: c1815.27,622.2 r43.31
  circle w10: c2007.08,551.45 r34.45
  circle w10: c2504.37,3.11 r43.31
  lines w10: -896.99,532.04 -894.11,509.48 -887.54,487.67 -877.46,467.27 -864.15,448.81 -848.01,432.79 -829.43,419.6 -808.96,409.68 -787.14,403.26 -764.55,400.54 -729.91,402.09 -583.94,419.76 -410.94,438.07 -237.68,453.86 -222.32,453.62 -207.28,450.39 -193.15,444.33 -180.47,435.63 -169.72,424.65 -161.3,411.77 -155.55,397.48 -152.72,382.36 -117.44,-12.64 -113.94,-32.6 -107.01,-51.69 -96.97,-69.29 -84.06,-84.92 -68.62,-98.11 -51.18,-108.46 -32.24,-115.71 -12.32,-119.57 7.95,-120 212.36,-108.43 416.97,-100.55 621.69,-96.46 826.46,-96.1 1031.18,-99.49 1235.83,-106.65 1440.28,-117.52 1644.53,-132.13 1848.46,-150.47 2052.01,-172.56 2255.16,-198.35 2274.92,-199.37 2294.57,-197.05 2313.54,-191.49 2331.38,-182.87 2347.48,-171.38 2361.46,-157.36 2372.87,-141.22 2381.46,-123.38 2386.54,-113.15 2393.5,-104.09 2402.09,-96.53 2411.97,-90.75 2422.76,-87.01 2434.06,-85.43 2445.47,-86.02 2471.42,-90 2492.64,-91.3 2513.74,-88.82 2534.06,-82.6 2552.91,-72.83 2569.72,-59.84 2583.94,-44.05 2595.08,-25.98 2602.83,-6.18 2606.89,14.69 2607.16,35.91 2562.09,614.49 2560.12,625.67 2556.06,636.3 2550.04,645.91 2542.28,654.21 2533.07,660.87 2522.76,665.63 2511.69,668.35 2488.98,671.65 2485.47,672.48 2482.16,673.94 2479.17,675.99 2476.65,678.54 2474.61,681.5 2473.11,684.8 2472.28,688.31 2472.09,691.93 2471.93,695.55 2471.06,699.06 2469.61,702.36 2467.56,705.36 2465,707.88 2462.01,709.92 2458.7,711.38 2455.16,712.21 2277.8,735.79 2100.12,756.69 2094.33,756.73 2088.66,755.71 2083.31,753.54 2078.46,750.43 2074.33,746.38 2071.06,741.65 2068.74,736.34 2067.56,730.71 2067.13,727.01 2065.9,721.38 2063.62,716.1 2060.35,711.34 2056.22,707.32 2051.42,704.17 2046.06,702.05 2040.39,700.99 2034.61,701.02 1817.76,722.4 1600.55,739.84 1383.03,753.39 1165.31,762.95 947.48,768.62 729.57,770.32 511.65,768.11 293.82,761.97 76.14,751.85 -141.34,737.83 -358.54,719.88 -615.08,694 -776.87,674.91 -799.11,670.15 -820.29,661.8 -839.82,650.11 -857.11,635.31 -871.75,617.9 -883.37,598.3 -891.55,577.08 -896.12,554.79 -896.99,532.04
Board Shape:
  lines w10: -896.99,532.04 -896.12,554.79 -891.55,577.08 -883.37,598.3 -871.75,617.9 -857.11,635.31 -839.82,650.11 -820.29,661.8 -799.11,670.15 -776.87,674.91 -615.08,694 -358.54,719.88 -141.34,737.83 76.14,751.85 293.82,761.97 511.65,768.11 729.57,770.32 947.48,768.62 1165.31,762.95 1383.03,753.39 1600.55,739.84 1817.76,722.4 2034.61,701.02 2040.39,700.99 2046.06,702.05 2051.42,704.17 2056.22,707.32 2060.35,711.34 2063.62,716.1 2065.9,721.38 2067.13,727.01 2067.56,730.71 2068.74,736.34 2071.06,741.65 2074.33,746.38 2078.46,750.43 2083.31,753.54 2088.66,755.71 2094.33,756.73 2100.12,756.69 2277.8,735.79 2455.16,712.21 2458.7,711.38 2462.01,709.92 2465,707.88 2467.56,705.36 2469.61,702.36 2471.06,699.06 2471.93,695.55 2472.09,691.93 2472.28,688.31 2473.11,684.8 2474.61,681.5 2476.65,678.54 2479.17,675.99 2482.16,673.94 2485.47,672.48 2488.98,671.65 2511.69,668.35 2522.76,665.63 2533.07,660.87 2542.28,654.21 2550.04,645.91 2556.06,636.3 2560.12,625.67 2572.98,552.57 2608.03,102.74 2606.89,14.69 2602.83,-6.18 2595.08,-25.98 2583.94,-44.05 2569.72,-59.84 2552.91,-72.83 2534.06,-82.6 2513.74,-88.82 2492.64,-91.3 2471.42,-90 2445.47,-86.02 2434.06,-85.43 2422.76,-87.01 2411.97,-90.75 2402.09,-96.53 2393.5,-104.09 2386.54,-113.15 2381.46,-123.38 2372.87,-141.22 2361.46,-157.36 2347.48,-171.38 2331.38,-182.87 2313.54,-191.49 2294.57,-197.05 2274.92,-199.37 2255.16,-198.35 2052.01,-172.56 1848.46,-150.47 1644.53,-132.13 1440.28,-117.52 1235.83,-106.65 1031.18,-99.49 826.46,-96.1 621.69,-96.46 416.97,-100.55 212.36,-108.43 7.95,-120 -12.32,-119.57 -32.24,-115.71 -51.18,-108.46 -68.62,-98.11 -84.06,-84.92 -96.97,-69.29 -107.01,-51.69 -113.94,-32.6 -117.44,-12.64 -152.72,382.36 -155.55,397.48 -161.3,411.77 -169.72,424.65 -180.47,435.63 -193.15,444.33 -207.28,450.39 -222.32,453.62 -237.68,453.86 -410.94,438.07 -583.94,419.76 -729.91,402.09 -764.55,400.54 -787.14,403.26 -808.96,409.68 -829.43,419.6 -848.01,432.79 -864.15,448.81 -877.46,467.27 -887.54,487.67 -894.11,509.48 -896.99,532.04

## Text inside footprints (layer, text, board x,y; h text height)
LCN1: Bottom Overlay "ICSP" at 275,455 h35 r5